# KiCad board pi60_RGB_v2.0_usb.kicad_pcb (continued)
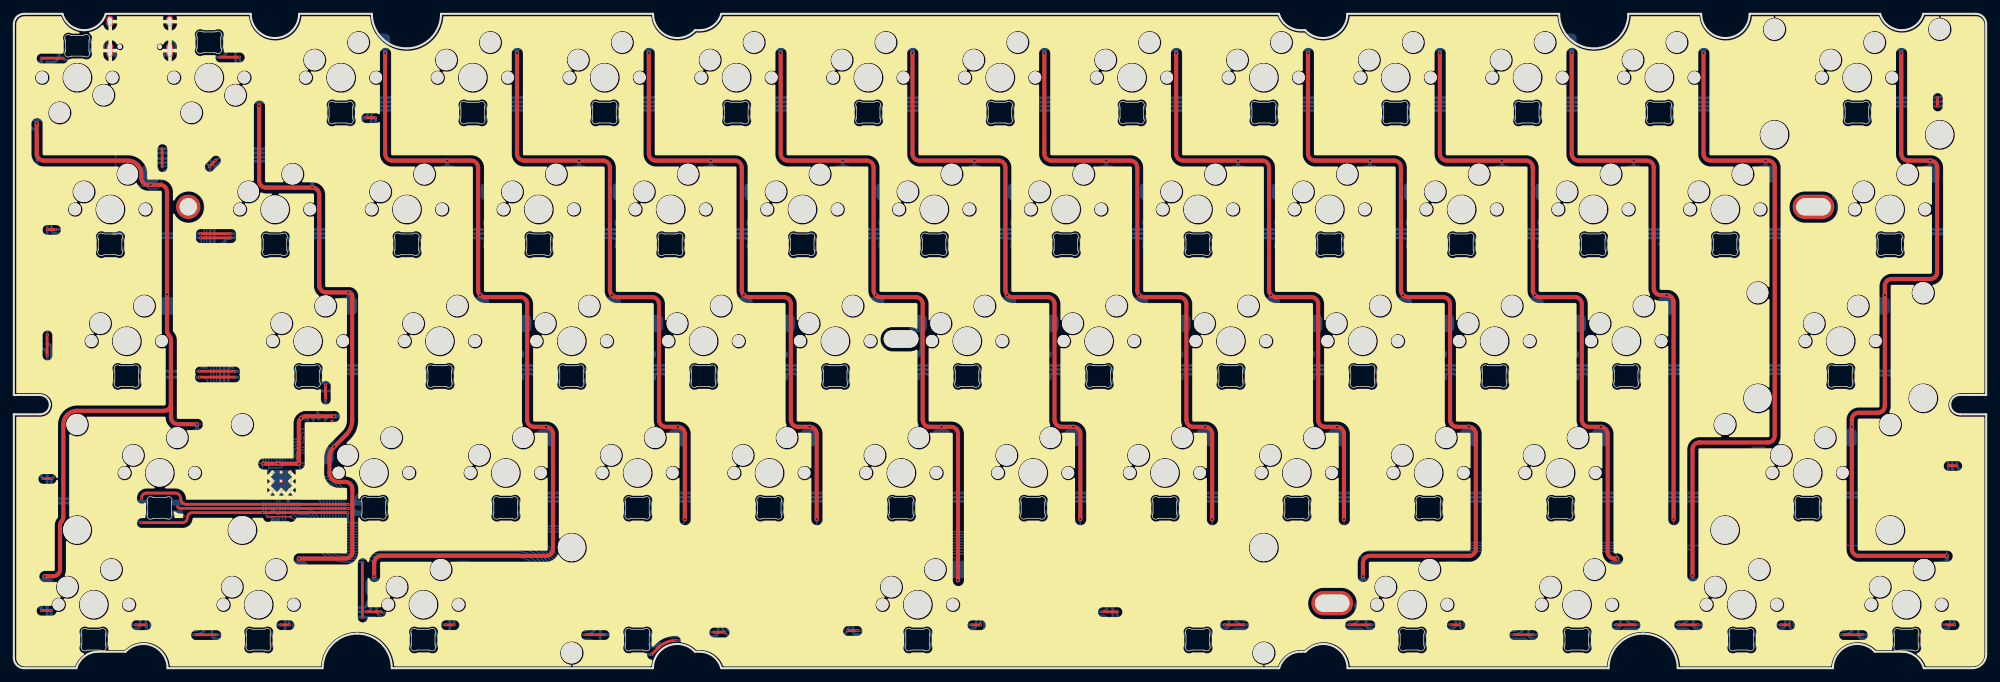
[diagram p0: board, top side]
## Routing (per net, layer and track width the routed paths; a pad name or vN(x,y) marks a point on that pad's centre or on a via; arc(x,y) is an arc through that point) (continued)
VCC: length 19.6
  Bottom w0.3: USB1.2 15.75,87.18 arc(15.86,86.61) 16.19,86.12 17.51,84.8 arc(17.84,84.31) 17.95,83.74 17.95,80.55
  Bottom w0.4: U4.1 17.93,80.52 C15.1 arc(16.39,80.31) 16.18,79.81 16.18,78.37 arc(16.39,77.87) 16.89,77.66
  Bottom w0.5: 20.65,88.85 arc(20.57,89.24) 20.35,89.58 20.24,89.69 arc(19.79,89.99) 19.25,90.1 17.15,90.1 arc(16.61,89.99) 16.16,89.69 16.05,89.58 arc(15.83,89.24) 15.75,88.85
/QSPI_SCLK: length 5.4
  Bottom w0.2: U2.52 39.62,31.33 arc(40.03,32.32) 41.02,32.73 arc(41.37,32.87) 41.52,33.23 41.52,33.62 arc(41.66,33.98) 42.02,34.12 U3.6
/QSPI_SD0: length 4.7
  Bottom w0.2: U2.53 40.02,31.23 arc(40.34,32) 41.12,32.33 arc(41.68,32.56) 41.92,33.13 41.92,33.42 arc(41.98,33.57) 42.12,33.62 U3.5
/QSPI_SD1: length 9
  Bottom w0.2: U2.55 40.82,31.03 arc(40.96,31.38) 41.32,31.53 42.45,31.53 arc(42.81,31.67) 42.95,32.03 42.95,32.24 arc(43.1,32.59) 43.45,32.74 45.35,32.74 arc(45.7,32.89) 45.85,33.24 45.85,34.12 arc(45.7,34.48) 45.35,34.62 U3.2
/QSPI_SD2: length 8.3
  Bottom w0.2: U3.3 45.25,34.12 arc(45.39,34.07) 45.45,33.92 45.45,33.34 arc(45.39,33.2) 45.25,33.14 43.35,33.14 arc(42.79,32.91) 42.55,32.34 42.55,32.13 arc(42.49,31.98) 42.35,31.93 41.22,31.93 41.13,31.92 40.95,31.88 40.79,31.81 40.65,31.69 40.54,31.55 40.46,31.39 40.42,31.22 40.42,31.13 U2.54
/QSPI_SD3: length 6.2
  Bottom w0.2: U2.51 39.22,31.43 arc(39.72,32.63) 40.92,33.13 arc(41.06,33.18) 41.12,33.33 41.12,33.82 arc(41.35,34.39) 41.92,34.62 U3.7
/QSPI_SS: length 10.7
  Bottom w0.2: U2.56 41.22,30.93 arc(41.28,31.07) 41.42,31.13 42.55,31.13 arc(43.12,31.36) 43.35,31.93 43.35,32.14 arc(43.41,32.28) 43.55,32.34 45.45,32.34 arc(46.02,32.57) 46.25,33.14 46.25,34.32 arc(46.02,34.89) 45.45,35.12 U3.1 44.91,35.99
/XIN: length 4.9
  Bottom w0.2: 40.22,19.48 40.22,20.54 arc(40.14,20.75) 39.92,20.84 39.52,20.84 arc(39.31,20.93) 39.22,21.14 U2.20
/XOUT: length 4.9
  Bottom w0.2: U2.21 38.82,21.14 arc(38.73,20.93) 38.52,20.84 38.12,20.84 arc(37.91,20.75) 37.82,20.54 37.82,19.48
C0: length 131.1
  Top w0.6: 22.7,42.92 22.7,38.21 arc(22.41,37.5) 21.7,37.21 9.12,37.21 arc(8.36,37.06) 7.72,36.63 arc(7.29,35.99) 7.14,35.24 7.14,21.81 arc(7.08,21.5) 6.91,21.24 arc(6.73,20.98) 6.67,20.68 6.67,14.29 arc(6.38,13.59) 5.67,13.29 v2(4.45,13.29) ; 22.7,42.92 22.7,36.28 arc(22.99,35.58) 23.7,35.28 v2(26.46,35.28) ; 22.7,42.92 22.7,47.45 arc(22.63,47.82) 22.42,48.13 arc(22.21,48.45) 22.14,48.82 v2(22.14,54.03) 22.14,68.87 arc(21.84,69.58) 21.14,69.87 v2(19.76,69.87) 19.41,69.87 arc(18.7,70.17) 18.41,70.87 18.41,71.56 arc(18.28,72.19) 17.92,72.72 17.83,72.81 arc(17.2,73.23) 16.45,73.38 4.31,73.38 arc(3.6,73.68) 3.31,74.38 v2(3.31,78.76)
  Bottom w0.2: U2.37 32.92,27.66 arc(31.5,28.25) 30.92,29.66 30.92,32.13 arc(30.84,32.51) 30.62,32.83 28.87,34.59 28.86,34.59 28.46,34.99 arc(28.14,35.21) 27.76,35.28 v2(26.46,35.28)
  Bottom w0.6: 19.75,71.43 v2(19.75,69.88) ; v2(26.46,35.28) 26.46,33.76 ; K54.1 4.45,13.29 ; K29.2 22.14,54.03 ; K1.2 3.31,78.77
C1: length 99.8
  Top w0.6: v2(41.19,15.84) 47.91,15.84 arc(48.62,16.14) 48.91,16.84 48.91,25.92 arc(48.62,26.63) 47.91,26.92 46.93,26.92 arc(46.42,27.02) 45.99,27.31 arc(45.71,27.74) 45.61,28.25 45.61,30.37 arc(45.78,31.26) v2(46.29,32.01) 48.02,33.74 arc(48.67,34.72) 48.89,35.86 48.89,53.83 arc(48.75,54.19) 48.39,54.33 v2(48.33,54.33) 45.13,54.33 arc(44.43,54.63) 44.13,55.33 44.13,68.48 arc(43.84,69.18) v2(43.13,69.48) 36.45,69.48 arc(35.74,69.77) 35.45,70.48 v2(35.45,81.3)
  Bottom w0.2: U2.3 43.93,28.86 arc(44.63,29.15) 44.93,29.86
  Bottom w0.6: K55.2 v2(41.19,15.84) ; v2(35.45,81.3) 35.45,82.7 ; v2(48.33,54.33) 48.33,54.33 K30.2 ; v2(43.13,69.48) 43.13,71 ; 45.06,30.79 v2(46.29,32.01)
C2: length 148.7
  Top w0.6: 53.66,88.92 53.66,74.38 arc(53.95,73.68) 54.66,73.38 v2(62.62,73.38) 66.09,73.38 arc(66.79,73.09) 67.09,72.38 67.09,54.64 arc(67.38,53.93) 68.09,53.64 73.18,53.64 arc(73.89,53.35) 74.18,52.64 74.18,35.88 arc(74.47,35.18) 75.18,34.88 v2(76.9,34.88) arc(77.61,34.59) 77.9,33.88 77.9,17.23 arc(77.61,16.53) 76.9,16.23 53.07,16.23 arc(52.36,15.94) 52.07,15.23 v2(52.07,13.29)
  Bottom w0.2: v2(52.07,13.29) 52.07,14.73 arc(51.78,15.43) 51.07,15.73 48.15,15.73 arc(44.4,17.28) 42.85,21.03 42.85,21.17 arc(42.67,21.6) 42.25,21.77 41.42,21.77 arc(40.43,22.19) 40.02,23.17 U2.18
  Bottom w0.6: K31.2 67.38,53.93 ; v2(53.66,88.92) 53.66,89.91 ; K44.2 v2(76.9,34.88) ; K56.1 52.07,13.29 ; 62.62,71.43 v2(62.62,73.38)
  vias: v2(67.38,53.93)
C3: length 156.4
  Top w0.6: v2(96.95,21.53) 96.95,33.88 arc(96.66,34.59) v2(95.95,34.88) 94.23,34.88 arc(93.52,35.18) 93.23,35.88 93.23,52.64 arc(92.94,53.35) 92.23,53.64 87.14,53.64 arc(86.43,53.93) 86.14,54.64 86.14,72.38 arc(85.84,73.09) 85.14,73.38 v2(81.67,73.38) 73.71,73.38 arc(73,73.68) 72.71,74.38 72.71,88.92
  Bottom w0.2: U2.6 45.63,27.66 arc(45.91,27.61) 46.14,27.45 47.5,26.08 arc(47.66,25.85) 47.71,25.58 47.71,21.03 arc(47.86,20.67) 48.21,20.53 95.95,20.53 arc(96.66,20.82) v2(96.95,21.53)
  Bottom w0.6: K45.2 v2(95.95,34.88) ; 81.67,71.43 v2(81.67,73.38) ; K32.2 86.43,53.93 ; v2(72.71,88.92) 72.71,89.91
  vias: v2(86.43,53.93)
C4: length 175.8
  Top w0.6: v2(116,21.53) 116,33.88 arc(115.71,34.59) v2(115,34.88) 113.28,34.88 arc(112.57,35.18) 112.28,35.88 112.28,52.64 arc(111.99,53.35) 111.28,53.64 106.19,53.64 arc(105.48,53.93) 105.19,54.64 105.19,72.38 arc(104.89,73.09) 104.19,73.38 v2(100.72,73.38) 92.76,73.38 arc(92.05,73.68) 91.76,74.38 91.76,88.92
  Bottom w0.2: U2.7 45.47,27.26 arc(45.74,27.21) 45.97,27.05 47.1,25.92 arc(47.26,25.69) 47.31,25.41 47.31,21.03 arc(47.58,20.39) 48.21,20.13 115,20.13 arc(115.71,20.42) 116,21.13 v2(116,21.53)
  Bottom w0.6: 115,33.33 v2(115,34.88) ; v2(91.76,88.92) 91.76,89.91 ; K33.2 105.48,53.93 ; 100.72,71.43 v2(100.72,73.38)
  vias: v2(105.48,53.93)
C5: length 210.5
  Top w0.6: 110.81,88.92 110.81,74.38 arc(111.1,73.68) 111.81,73.38 v2(119.77,73.38) 123.24,73.38 arc(123.94,73.09) 124.24,72.38 124.24,54.64 arc(124.53,53.93) 125.24,53.64 130.33,53.64 arc(131.04,53.35) 131.33,52.64 131.33,35.88 arc(131.62,35.18) 132.33,34.88 v2(134.05,34.88) 135.44,34.88 arc(136.14,34.59) 136.44,33.88 v2(136.44,12.73)
  Bottom w0.2: U2.17 40.42,23.17 arc(40.71,22.47) 41.42,22.17 42.25,22.17 arc(42.95,21.88) 43.25,21.17 43.25,21.03 arc(44.68,17.56) 48.15,16.13 72.15,16.13 arc(74.06,15.75) 75.68,14.66 76.74,13.6 arc(78.51,12.42) 80.59,12.01 arc(82.68,12.42) 84.44,13.6 85.5,14.66 arc(87.12,15.75) 89.04,16.13 135.44,16.13 arc(136.14,15.83) 136.44,15.13
  Bottom w0.6: K57.2 v2(136.44,12.73) ; 134.05,33.33 v2(134.05,34.88) ; v2(110.81,88.92) 110.81,89.91 ; 119.77,71.43 v2(119.77,73.38) ; K34.2 124.53,53.93
  vias: v2(124.53,53.93)
C6: length 214.3
  Top w0.6: 129.86,88.92 129.86,74.38 arc(130.15,73.68) 130.86,73.38 v2(138.82,73.38) 142.29,73.38 arc(142.99,73.09) 143.29,72.38 143.29,54.64 arc(143.58,53.93) 144.29,53.64 149.38,53.64 arc(150.09,53.35) 150.38,52.64 150.38,35.88 arc(150.67,35.18) 151.38,34.88 v2(153.1,34.88) arc(153.81,34.59) 154.1,33.88 v2(154.1,21.53)
  Bottom w0.2: v2(154.1,21.53) 154.1,20.73 arc(153.81,20.02) 153.1,19.73 48.21,19.73 arc(47.29,20.11) 46.91,21.03 46.91,25.25 arc(46.86,25.52) 46.7,25.75 45.81,26.65 arc(45.58,26.81) 45.3,26.86 U2.8
  Bottom w0.6: 153.1,33.33 v2(153.1,34.88) ; v2(129.86,88.92) 129.86,89.91 ; K35.2 143.58,53.93 ; 138.82,71.43 v2(138.82,73.38)
  vias: v2(143.58,53.93)
C7: length 236.5
  Top w0.6: v2(173.15,21.53) 173.15,33.88 arc(172.86,34.59) v2(172.15,34.88) 170.43,34.88 arc(169.72,35.18) 169.43,35.88 169.43,52.64 arc(169.14,53.35) 168.43,53.64 163.34,53.64 arc(162.63,53.93) 162.34,54.64 162.34,72.38 arc(162.04,73.09) 161.34,73.38 v2(157.87,73.38) 149.91,73.38 arc(149.2,73.68) 148.91,74.38 148.91,88.92
  Bottom w0.2: v2(173.15,21.53) 173.15,20.33 arc(172.86,19.62) 172.15,19.33 87.71,19.33 arc(85.8,18.95) 84.18,17.86 82.18,15.87 arc(81.45,15.38) 80.59,15.21 arc(79.73,15.38) 79,15.87 77.01,17.86 arc(75.39,18.95) 73.47,19.33 48.21,19.33 arc(47.01,19.82) 46.51,21.03 46.51,25.08 arc(46.46,25.36) 46.3,25.59 45.64,26.25 arc(45.41,26.41) 45.14,26.46 U2.9
  Bottom w0.6: 157.87,71.43 v2(157.87,73.38) ; K36.2 162.63,53.93 ; v2(148.91,88.92) 148.91,89.91 ; 172.15,33.33 v2(172.15,34.88)
  vias: v2(162.63,53.93)
C8: length 258
  Top w0.6: 167.96,88.92 167.96,74.38 arc(168.25,73.68) 168.96,73.38 v2(176.92,73.38) 180.39,73.38 arc(181.09,73.09) 181.39,72.38 181.39,54.64 arc(181.68,53.93) 182.39,53.64 187.48,53.64 arc(188.19,53.35) 188.48,52.64 188.48,35.88 arc(188.77,35.18) 189.48,34.88 v2(191.2,34.88) arc(191.91,34.59) 192.2,33.88 v2(192.2,21.53)
  Bottom w0.2: U2.11 44.14,25.66 arc(44.42,25.61) 44.65,25.45 45.44,24.66 arc(45.59,24.43) 45.65,24.16 45.65,21.03 arc(46.38,19.26) 48.15,18.53 73.14,18.53 arc(75.06,18.15) 76.68,17.06 78.44,15.3 arc(79.43,14.64) 80.59,14.41 arc(81.76,14.64) 82.75,15.3 84.51,17.06 arc(86.13,18.15) 88.04,18.53 174.27,18.53 arc(176.19,18.15) 177.81,17.06 179,15.87 arc(179.73,15.38) 180.59,15.21 arc(181.45,15.38) 182.18,15.87 183.38,17.06 arc(185,18.15) 186.91,18.53 191.2,18.53 arc(191.91,18.82) 192.2,19.53 v2(192.2,21.53)
  Bottom w0.6: 191.2,33.33 v2(191.2,34.88) ; 176.92,71.43 v2(176.92,73.38) ; K37.2 181.68,53.93 ; v2(167.96,88.92) 167.96,89.91
  vias: v2(181.68,53.93)
C9: length 286.1
  Top w0.6: v2(194.95,13.29) 194.95,15.23 arc(195.24,15.94) 195.95,16.23 210.25,16.23 arc(210.96,16.53) 211.25,17.23 211.25,33.88 arc(210.96,34.59) v2(210.25,34.88) 208.53,34.88 arc(207.82,35.18) 207.53,35.88 207.53,52.64 arc(207.24,53.35) 206.53,53.64 201.44,53.64 arc(200.73,53.93) 200.44,54.64 200.44,72.38 arc(200.14,73.09) 199.44,73.38 v2(195.97,73.38) 188.01,73.38 arc(187.3,73.68) 187.01,74.38 187.01,88.92
  Bottom w0.2: U2.16 40.82,23.17 arc(40.99,22.75) 41.42,22.57 42.25,22.57 arc(43.24,22.16) 43.65,21.17 43.65,21.03 arc(44.96,17.84) 48.15,16.53 72.31,16.53 arc(74.23,16.15) 75.85,15.06 77.02,13.89 arc(78.66,12.79) 80.59,12.41 arc(82.52,12.79) 84.16,13.89 85.34,15.06 arc(86.96,16.15) 88.87,16.53 173.45,16.53 arc(175.36,16.15) 176.98,15.06 177.59,14.45 arc(178.97,13.53) 180.59,13.21 arc(182.22,13.53) 183.6,14.45 184.2,15.06 arc(185.83,16.15) 187.74,16.53 193.95,16.53 arc(194.65,16.23) 194.95,15.53 v2(194.95,13.29)
  Bottom w0.6: v2(187.01,88.92) 187.01,89.91 ; K38.2 200.73,53.93 ; K58.1 194.95,13.26 ; 210.25,33.33 v2(210.25,34.88) ; 195.97,71.43 v2(195.97,73.38)
  vias: v2(200.73,53.93)
C10: length 303.1
  Top w0.6: v2(231.68,15.83) 231.3,15.83 arc(230.6,16.13) 230.3,16.83 230.3,33.88 arc(230.01,34.59) v2(229.3,34.88) 227.58,34.88 arc(226.87,35.18) 226.58,35.88 226.58,52.64 arc(226.29,53.35) 225.58,53.64 220.49,53.64 arc(219.78,53.93) 219.49,54.64 219.49,72.38 arc(219.19,73.09) 218.49,73.38 v2(215.02,73.38) 207.06,73.38 arc(206.35,73.68) 206.06,74.38 206.06,88.92
  Bottom w0.2: U2.15 41.22,23.17 arc(41.28,23.03) 41.42,22.97 42.25,22.97 arc(43.52,22.45) 44.05,21.17 44.05,21.03 arc(45.25,18.13) 48.15,16.93 72.48,16.93 arc(74.39,16.55) 76.02,15.46 77.31,14.17 arc(78.82,13.16) 80.59,12.81 arc(82.37,13.16) 83.88,14.17 85.17,15.46 arc(86.79,16.55) 88.71,16.93 173.61,16.93 arc(175.53,16.55) 177.15,15.46 177.87,14.74 arc(179.12,13.9) 180.59,13.61 arc(182.06,13.9) 183.31,14.74 184.04,15.46 arc(185.66,16.55) 187.57,16.93 230.68,16.93 arc(231.39,16.63) 231.68,15.93 v2(231.68,15.83)
  Bottom w0.6: v2(206.06,88.92) 206.06,89.91 ; 215.02,71.43 v2(215.02,73.38) ; K59.2 v2(231.68,15.83) ; K39.2 219.78,53.93 ; 229.3,33.33 v2(229.3,34.88)
  vias: v2(219.78,53.93)
C11: length 295.7
  Top w0.6: 225.11,88.92 225.11,74.38 arc(225.4,73.68) 226.11,73.38 v2(234.07,73.38) 235.97,73.38 arc(236.67,73.09) 236.97,72.38 236.97,54.93 arc(237.26,54.23) 237.97,53.93 v2(238.83,53.93) arc(239.54,53.64) 239.83,52.93 v2(239.83,21.53)
  Bottom w0.2: U2.12 43.98,25.26 arc(44.25,25.21) 44.48,25.05 45.04,24.5 arc(45.19,24.26) 45.25,23.99 45.25,21.03 arc(46.09,18.98) 48.15,18.13 72.98,18.13 arc(74.89,17.75) 76.51,16.66 78.16,15.02 arc(79.27,14.27) 80.59,14.01 arc(81.91,14.27) 83.03,15.02 84.67,16.66 arc(86.3,17.75) 88.21,18.13 174.11,18.13 arc(176.02,17.75) 177.64,16.66 178.72,15.58 arc(179.58,15.01) 180.59,14.81 arc(181.61,15.01) 182.46,15.58 183.54,16.66 arc(185.16,17.75) 187.08,18.13 238.83,18.13 arc(239.54,18.42) 239.83,19.13 v2(239.83,21.53)
  Bottom w0.6: 234.07,71.43 v2(234.07,73.38) ; v2(225.11,88.92) 225.11,89.91 ; K40.2 238.83,53.93
C12: length 314.4
  Top w0.6: v2(242.57,13.39) 242.57,31.63 arc(242.86,32.34) 243.57,32.63 253.45,32.63 arc(254.16,32.93) 254.45,33.63 254.45,72.38 arc(254.16,73.09) 253.45,73.38 v2(253.12,73.38) 245.16,73.38 arc(244.45,73.68) 244.16,74.38 244.16,88.92
  Bottom w0.2: U2.14 43.65,24.46 arc(43.92,24.41) 44.15,24.25 44.24,24.16 arc(44.39,23.93) 44.45,23.66 44.45,21.03 arc(45.53,18.41) 48.15,17.33 72.65,17.33 arc(74.56,16.95) 76.18,15.86 77.59,14.45 arc(78.97,13.53) 80.59,13.21 arc(82.22,13.53) 83.6,14.45 85,15.86 arc(86.63,16.95) 88.54,17.33 173.78,17.33 arc(175.69,16.95) 177.31,15.86 178.16,15.02 arc(179.27,14.27) 180.59,14.01 arc(181.91,14.27) 183.03,15.02 183.87,15.86 arc(185.5,16.95) 187.41,17.33 241.57,17.33 arc(242.28,17.03) 242.57,16.33 v2(242.57,13.39)
  Bottom w0.6: 253.12,71.43 v2(253.12,73.38) ; v2(244.16,88.92) 244.16,89.91 ; K60.1 242.57,13.39
C13: length 356.1
  Top w0.6: v2(279.31,16.23) 266.59,16.23 arc(265.88,16.53) 265.59,17.23 v2(265.59,34.88) 265.59,35.92 arc(265.88,36.63) 266.59,36.92 269.35,36.92 arc(270.06,37.22) 270.35,37.92 v2(270.35,53.93) 270.35,55.26 arc(270.64,55.97) 271.35,56.26 276.93,56.26 arc(277.63,56.55) 277.93,57.26 277.93,72.38 arc(277.63,73.09) v2(276.93,73.38) 273.73,73.38 arc(273.02,73.68) 272.73,74.38 272.73,88.92
  Bottom w0.2: v2(279.31,16.23) 279.31,16.73 arc(279.02,17.43) 278.31,17.73 187.24,17.73 arc(185.33,17.35) 183.71,16.26 182.75,15.3 arc(181.76,14.64) 180.59,14.41 arc(179.43,14.64) 178.44,15.3 177.48,16.26 arc(175.86,17.35) 173.94,17.73 88.37,17.73 arc(86.46,17.35) 84.84,16.26 83.31,14.74 arc(82.07,13.9) 80.59,13.61 arc(79.12,13.9) 77.87,14.74 76.35,16.26 arc(74.73,17.35) 72.81,17.73 48.15,17.73 arc(45.81,18.69) 44.85,21.03 44.85,23.83 arc(44.79,24.1) 44.64,24.33 44.32,24.65 arc(44.08,24.81) 43.81,24.86 U2.13
  Bottom w0.6: v2(265.59,34.88) 265.59,33.9 ; v2(270.35,53.93) 270.35,52.95 ; v2(272.73,88.92) 272.73,89.91 ; 276.93,71.43 v2(276.93,73.38) ; K61.2 v2(279.31,16.23)
CC1: length 2.4
  Bottom w0.3: 17.78,86.71 17.25,86.71 arc(17.04,86.8) 16.95,87.01 USB1.4
CC2: length 1.8
  Bottom w0.3: USB1.10 19.95,87.45 arc(19.87,87.07) 19.66,86.75
DN_MCU: length 78.5
  Top w0.4: 29.16,73.42 v1(28.26,72.52)
  Bottom w0.2: 18.4,78.92 18.45,78.97 U4.7
  Bottom w0.4: R2.1 37,36.11 arc(36.7,36.82) 36,37.11 31.79,37.11 arc(30.38,37.7) 29.79,39.11 29.79,58.87 arc(29.71,59.26) 29.5,59.58 28.66,60.42 arc(28.44,60.75) 28.37,61.13 28.37,72.08 arc(28.07,72.79) 27.37,73.08 19.9,73.08 arc(18.83,73.52) 18.4,74.58 18.4,78.92 ; v1(29.16,73.43) 29.18,73.45 arc(29.66,73.77) 30.24,73.88 30.24,73.88 43.51,73.88 arc(43.89,73.96) 44.22,74.18 44.89,74.85
DN_USB: length 10
  Bottom w0.3: 18.45,80.84 18.45,86.72 ; 18.45,86.72 USB1.7 ; 18.45,86.72 18.45,87.05 arc(18.36,87.26) 18.15,87.35 17.75,87.35 arc(17.54,87.43) 17.45,87.65 USB1.5
DP_MCU: length 79.6
  Bottom w0.2: 19,78.92 18.95,78.97 U4.6
  Bottom w0.4: 19,78.92 19,74.68 arc(19.29,73.97) 20,73.68 27.47,73.68 arc(28.53,73.24) 28.97,72.18 28.97,70.89 ; 28.97,70.89 28.97,61.38 arc(29.04,60.99) 29.26,60.67 30.1,59.83 arc(30.31,59.51) 30.39,59.12 30.39,39.21 arc(30.83,38.15) 31.89,37.71 36.35,37.71 arc(37.41,37.27) 37.85,36.21 R1.1 ; 28.97,70.89 28.97,71.78 arc(29.4,72.84) 30.47,73.28 43.86,73.28 arc(44.24,73.36) 44.57,73.58 44.86,73.87 J2.3
DP_USB: length 10.5
  Bottom w0.3: 18.95,80.84 USB1.8 18.95,89.2 arc(18.86,89.41) 18.65,89.5 18.25,89.5 arc(18.04,89.41) 17.95,89.2 USB1.6
LED: length 87.9
  Bottom w0.2: U2.40 32.92,28.86 arc(32.35,29.09) 32.12,29.66 32.12,32.62 arc(32.04,33.01) 31.82,33.33 29.18,35.97 arc(28.97,36.29) 28.89,36.68 28.89,58.5 arc(28.81,58.88) 28.6,59.21 27.75,60.05 arc(27.54,60.38) 27.46,60.76 27.46,71.98 arc(27.4,72.12) 27.26,72.18 22.33,72.18 arc(21.62,71.89) 21.33,71.18 21.33,70.27 arc(21.04,69.57) 20.33,69.27 19.74,69.27 arc(19.52,69.32) 19.34,69.44 19.27,69.51 arc(19.09,69.63) 18.87,69.68 16.45,69.68 arc(15.78,69.81) 15.21,70.19 arc(14.83,70.76) 14.7,71.43 14.7,80.11 arc(14.41,80.81) 13.7,81.11 12.86,81.11 arc(12.28,81.22) 11.8,81.55 10.99,82.35 arc(10.1,82.94) 9.05,83.15 arc(8.28,83.31) 7.63,83.74 arc(7.04,84.13) 6.35,84.27 4.07,84.27 arc(3.64,84.36) 3.27,84.6 arc(3.03,84.97) 2.94,85.4 arc(3.03,85.83) 3.27,86.2 3.84,86.76
R0: length 357.7
  Top w0.4: v1(21.43,75.08) v1(21.43,72.48)
  Bottom w0.2: U2.41 32.92,29.26 arc(32.63,29.38) 32.52,29.66 32.52,32.79 arc(32.44,33.17) 32.22,33.5 29.58,36.13 arc(29.37,36.46) 29.29,36.84 29.29,58.67 arc(29.21,59.05) 29,59.37 28.16,60.21 arc(27.94,60.54) 27.87,60.92 27.87,71.03 27.86,71.04 27.86,71.98 arc(27.69,72.4) 27.26,72.58 21.53,72.58 v1(21.43,72.48)
  Bottom w0.4: D2.1 24.84,76.08 arc(25.13,75.38) 25.84,75.08 26.96,75.08 ; 26.96,75.08 20.75,75.08 20.45,75.38 ; 26.96,75.08 42.35,75.08 arc(42.7,75.23) 42.85,75.58 42.85,75.67 arc(43.14,76.38) 43.85,76.67 ; 116.01,80.16 116.34,80.49 arc(116.5,80.6) 116.69,80.64 117.45,80.64 arc(118.16,80.35) 118.45,79.64 118.45,79.06 arc(118.89,78) 119.95,77.56 126.85,77.56 arc(127.56,77.85) 127.85,78.56 127.85,79.64 arc(128.14,80.35) 128.85,80.64 134.37,80.64 arc(134.56,80.6) 134.73,80.49 135.06,80.16 135.39,80.49 arc(135.55,80.6) 135.74,80.64 136.5,80.64 arc(137.21,80.35) 137.5,79.64 137.5,79.06 arc(137.94,78) 139,77.56 145.9,77.56 arc(146.61,77.85) 146.9,78.56 146.9,79.64 arc(147.19,80.35) 147.9,80.64 153.42,80.64 arc(153.61,80.6) 153.78,80.49 154.11,80.16 154.44,80.49 arc(154.6,80.6) 154.79,80.64 155.55,80.64 arc(156.26,80.35) 156.55,79.64 156.55,79.06 arc(156.99,78) 158.05,77.56 164.95,77.56 arc(165.66,77.85) 165.95,78.56 165.95,79.64 arc(166.24,80.35) 166.95,80.64 172.47,80.64 arc(172.66,80.6) 172.83,80.49 173.16,80.16 173.49,80.49 arc(173.65,80.6) 173.84,80.64 174.6,80.64 arc(175.31,80.35) 175.6,79.64 175.6,79.06 arc(176.04,78) 177.1,77.56 184,77.56 arc(184.71,77.85) 185,78.56 185,79.64 arc(185.29,80.35) 186,80.64 191.52,80.64 arc(191.71,80.6) 191.88,80.49 192.21,80.16 192.54,80.49 arc(192.7,80.6) 192.89,80.64 193.65,80.64 arc(194.36,80.35) 194.65,79.64 194.65,79.06 arc(195.09,78) 196.15,77.56 203.05,77.56 arc(203.76,77.85) 204.05,78.56 204.05,79.64 arc(204.34,80.35) 205.05,80.64 210.57,80.64 arc(210.76,80.6) 210.93,80.49 211.26,80.16 211.59,80.49 arc(211.75,80.6) 211.94,80.64 212.7,80.64 arc(213.41,80.35) 213.7,79.64 213.7,79.06 arc(214.14,78) 215.2,77.56 222.1,77.56 arc(222.81,77.85) 223.1,78.56 223.1,79.64 arc(223.39,80.35) 224.1,80.64 229.62,80.64 arc(229.81,80.6) 229.98,80.49 230.31,80.16 ; D14.1 258.55,80.51 arc(258.39,80.62) 258.2,80.66 243.15,80.66 arc(242.44,80.36) 242.15,79.66 242.15,78.57 arc(241.86,77.87) 241.15,77.57 234.25,77.57 arc(233.19,78.01) 232.75,79.07 232.75,79.66 arc(232.46,80.36) 231.75,80.66 230.99,80.66 arc(230.8,80.62) 230.64,80.51 D13.1 ; 43.85,76.67 50.65,76.67 arc(51.36,76.96) 51.65,77.67 51.65,79.66 arc(51.94,80.36) 52.65,80.66 58.17,80.66 arc(58.36,80.62) 58.53,80.51 D4.1 59.19,80.51 arc(59.35,80.62) 59.54,80.66 60.3,80.66 arc(61.01,80.36) 61.3,79.66 61.3,79.07 arc(61.74,78.01) 62.8,77.57 69.7,77.57 arc(70.41,77.87) 70.7,78.57 70.7,79.66 arc(70.99,80.36) 71.7,80.66 77.22,80.66 arc(77.41,80.62) 77.58,80.51 D5.1 78.24,80.51 arc(78.4,80.62) 78.59,80.66 79.35,80.66 arc(80.06,80.36) 80.35,79.66 80.35,79.07 arc(80.79,78.01) 81.85,77.57 88.75,77.57 arc(89.46,77.87) 89.75,78.57 89.75,79.66 arc(90.04,80.36) 90.75,80.66 96.27,80.66 arc(96.46,80.62) 96.63,80.51 D6.1 97.29,80.51 arc(97.45,80.62) 97.64,80.66 98.4,80.66 arc(99.11,80.36) 99.4,79.66 99.4,79.07 arc(99.84,78.01) 100.9,77.57 107.8,77.57 arc(108.51,77.87) 108.8,78.57 108.8,79.66 arc(109.09,80.36) 109.8,80.66 115.32,80.66 arc(115.51,80.62) 115.68,80.51 D7.1 ; 43.85,76.67 arc(43.14,76.96) 42.85,77.67 42.85,80.26 arc(42.56,80.97) 41.85,81.26 40.81,81.26 arc(40.1,80.97) 39.81,80.26
R1: length 370.2
  Top w0.4: v1(26.96,62.21) 27.77,62.21 ; 27.77,62.21 27.77,62.21 ; 27.77,62.21 v1(31.37,62.21)
  Bottom w0.2: U2.39 32.92,28.46 arc(32.07,28.81) 31.72,29.66 31.72,32.46 arc(31.64,32.84) 31.42,33.16 28.78,35.8 arc(28.57,36.13) 28.49,36.51 28.49,58.34 arc(28.41,58.72) 28.2,59.04 27.35,59.89 arc(27.14,60.21) 27.06,60.59 27.06,62.11 v1(26.96,62.21)
  Bottom w0.4: 238.05,62.21 238.05,61.59 237.75,61.29 ; 238.05,62.21 238.75,62.21 arc(239.52,61.9) D27.1 arc(240.15,61.9) 240.92,62.21 242.28,62.21 arc(242.7,62.04) 242.87,61.62 242.87,60.63 arc(243.31,59.57) 244.37,59.13 250.07,59.13 arc(250.78,59.42) 251.07,60.13 251.07,61.13 arc(251.39,61.9) 252.16,62.21 262.56,62.21 arc(263.33,61.9) D28.1 ; 238.05,62.21 233.11,62.21 arc(232.34,61.9) 232.02,61.13 232.02,60.13 arc(231.73,59.42) 231.02,59.13 225.32,59.13 arc(224.26,59.57) 223.82,60.63 223.82,61.62 arc(223.65,62.04) 223.23,62.21 221.87,62.21 arc(221.1,61.9) D26.1 arc(220.47,61.9) 219.7,62.21 214.06,62.21 arc(213.29,61.9) 212.97,61.13 212.97,60.13 arc(212.68,59.42) 211.97,59.13 206.27,59.13 arc(205.21,59.57) 204.77,60.63 204.77,61.62 arc(204.6,62.04) 204.18,62.21 202.82,62.21 arc(202.05,61.9) D25.1 arc(201.42,61.9) 200.65,62.21 195.01,62.21 arc(194.24,61.9) 193.92,61.13 193.92,60.13 arc(193.63,59.42) 192.92,59.13 187.22,59.13 arc(186.16,59.57) 185.72,60.63 185.72,61.62 arc(185.55,62.04) 185.13,62.21 183.77,62.21 arc(183,61.9) D24.1 arc(182.37,61.9) 181.6,62.21 175.96,62.21 arc(175.19,61.9) 174.88,61.13 174.88,60.13 arc(174.58,59.42) 173.88,59.13 168.17,59.13 arc(167.11,59.57) 166.67,60.63 166.67,61.62 arc(166.5,62.04) 166.08,62.21 164.72,62.21 arc(163.95,61.9) D23.1 arc(163.32,61.9) 162.55,62.21 156.91,62.21 arc(156.14,61.9) 155.83,61.13 155.83,60.13 arc(155.53,59.42) 154.83,59.13 149.12,59.13 arc(148.06,59.57) 147.62,60.63 147.62,61.62 arc(147.45,62.04) 147.03,62.21 145.67,62.21 arc(144.9,61.9) D22.1 arc(144.27,61.9) 143.5,62.21 137.86,62.21 arc(137.09,61.9) 136.78,61.13 136.78,60.13 arc(136.48,59.42) 135.78,59.13 130.07,59.13 arc(129.01,59.57) 128.57,60.63 128.57,61.62 arc(128.4,62.04) 127.98,62.21 126.62,62.21 arc(125.85,61.9) D21.1 arc(125.22,61.9) 124.45,62.21 118.81,62.21 arc(118.04,61.9) 117.73,61.13 117.73,60.13 arc(117.43,59.42) 116.73,59.13 111.02,59.13 arc(109.96,59.57) 109.52,60.63 109.52,61.62 arc(109.35,62.04) 108.93,62.21 107.57,62.21 arc(106.8,61.9) D20.1 arc(106.17,61.9) 105.4,62.21 99.76,62.21 arc(98.99,61.9) 98.68,61.13 98.68,60.13 arc(98.38,59.42) 97.68,59.13 91.97,59.13 arc(90.91,59.57) 90.47,60.63 90.47,61.62 arc(90.3,62.04) 89.88,62.21 88.52,62.21 arc(87.75,61.9) D19.1 arc(87.12,61.9) 86.35,62.21 80.71,62.21 arc(79.94,61.9) 79.63,61.13 79.63,60.13 arc(79.33,59.42) 78.63,59.13 72.92,59.13 arc(71.86,59.57) 71.42,60.63 71.42,61.62 arc(71.25,62.04) 70.83,62.21 69.47,62.21 arc(68.7,61.9) D18.1 arc(68.07,61.9) 67.3,62.21 61.66,62.21 arc(60.89,61.9) 60.58,61.13 60.58,60.13 arc(60.28,59.42) 59.58,59.13 53.87,59.13 arc(52.81,59.57) 52.37,60.63 52.37,61.62 arc(52.2,62.04) 51.78,62.21 50.42,62.21 arc(49.65,61.9) D17.1 arc(49.02,61.9) 48.25,62.21 42.61,62.21 arc(41.84,61.9) 41.53,61.13 41.53,60.13 arc(41.23,59.42) 40.53,59.13 34.82,59.13 arc(33.76,59.57) 33.32,60.63 33.32,61.62 arc(33.15,62.04) 32.73,62.21 v1(31.37,62.21) arc(30.6,61.9) D16.1 ; v1(26.96,62.21) 18.8,62.21 arc(18.03,61.9) 17.71,61.13 17.71,60.13 arc(17.42,59.42) 16.71,59.13 11.01,59.13 arc(9.95,59.57) 9.51,60.63 9.51,61.62 arc(9.34,62.04) 8.91,62.21 7.56,62.21 arc(6.79,61.9) D15.1
R2: length 319.4
  Top w0.4: v1(26.84,42.08) v1(31.94,42.08)
  Bottom w0.2: U2.38 32.92,28.06 arc(31.78,28.53) 31.32,29.66 31.32,32.29 arc(31.24,32.67) 31.02,33 29.03,34.99 29.03,34.99 28.38,35.63 arc(28.17,35.96) 28.09,36.34 28.09,41.08 arc(27.8,41.79) 27.09,42.08 v1(26.84,42.08)
  Bottom w0.4: D29.1 9.18,42.41 arc(9.35,42.52) 9.54,42.56 10.29,42.56 arc(11,42.26) 11.29,41.56 11.29,40.97 arc(11.73,39.91) 12.79,39.47 18.59,39.47 arc(19.65,39.91) 20.09,40.97 20.09,41.08 arc(20.39,41.79) 21.09,42.08 v1(26.84,42.08) ; v1(31.94,42.08) D30.1 37.09,42.08 arc(37.79,41.79) 38.09,41.08 38.09,41.08 arc(38.38,40.37) 39.09,40.08 45.89,40.08 arc(46.59,40.37) 46.89,41.08 46.89,41.56 46.89,41.64 46.92,41.82 46.98,41.98 47.07,42.13 47.18,42.27 47.31,42.38 47.46,42.46 47.63,42.52 47.8,42.56 47.89,42.56 53.41,42.56 53.48,42.56 53.6,42.52 53.72,42.46 53.76,42.41 D31.1 54.43,42.41 arc(54.59,42.52) 54.78,42.56 55.54,42.56 arc(56.24,42.26) 56.54,41.56 56.54,40.97 arc(56.98,39.91) 58.04,39.47 64.94,39.47 arc(65.64,39.77) 65.94,40.47 65.94,41.56 arc(66.23,42.26) 66.94,42.56 72.46,42.56 arc(72.65,42.52) 72.81,42.41 D32.1 73.48,42.41 arc(73.64,42.52) 73.83,42.56 74.59,42.56 arc(75.29,42.26) 75.59,41.56 75.59,40.97 arc(76.03,39.91) 77.09,39.47 83.99,39.47 arc(84.69,39.77) 84.99,40.47 84.99,41.56 arc(85.28,42.26) 85.99,42.56 91.51,42.56 arc(91.7,42.52) 91.86,42.41 D33.1 92.53,42.41 arc(92.69,42.52) 92.88,42.56 93.64,42.56 arc(94.34,42.26) 94.64,41.56 94.64,40.97 arc(95.08,39.91) 96.14,39.47 103.04,39.47 arc(103.74,39.77) 104.04,40.47 104.04,41.56 arc(104.33,42.26) 105.04,42.56 110.56,42.56 arc(110.75,42.52) 110.91,42.41 D34.1 111.58,42.41 arc(111.74,42.52) 111.93,42.56 112.69,42.56 arc(113.39,42.26) 113.69,41.56 113.69,40.97 arc(114.13,39.91) 115.19,39.47 122.09,39.47 arc(122.79,39.77) 123.09,40.47 123.09,41.56 arc(123.38,42.26) 124.09,42.56 129.61,42.56 arc(129.8,42.52) 129.96,42.41 D35.1 130.63,42.41 arc(130.79,42.52) 130.98,42.56 131.74,42.56 arc(132.44,42.26) 132.74,41.56 132.74,40.97 arc(133.18,39.91) 134.24,39.47 141.14,39.47 arc(141.84,39.77) 142.14,40.47 142.14,41.56 arc(142.43,42.26) 143.14,42.56 148.66,42.56 arc(148.85,42.52) 149.01,42.41 D36.1 149.68,42.41 arc(149.84,42.52) 150.03,42.56 150.79,42.56 arc(151.49,42.26) 151.79,41.56 151.79,40.97 arc(152.23,39.91) 153.29,39.47 160.19,39.47 arc(160.89,39.77) 161.19,40.47 161.19,41.56 arc(161.48,42.26) 162.19,42.56 167.71,42.56 arc(167.9,42.52) 168.06,42.41 D37.1 168.73,42.41 arc(168.89,42.52) 169.08,42.56 169.84,42.56 arc(170.54,42.26) 170.84,41.56 170.84,40.97 arc(171.28,39.91) 172.34,39.47 179.24,39.47 arc(179.94,39.77) 180.24,40.47 180.24,41.56 arc(180.53,42.26) 181.24,42.56 186.76,42.56 arc(186.95,42.52) 187.11,42.41 D38.1 187.78,42.41 arc(187.94,42.52) 188.13,42.56 188.89,42.56 arc(189.59,42.26) 189.89,41.56 189.89,40.97 arc(190.33,39.91) 191.39,39.47 198.29,39.47 arc(198.99,39.77) 199.29,40.47 199.29,41.56 arc(199.58,42.26) 200.29,42.56 205.81,42.56 arc(206,42.52) 206.16,42.41 D39.1 206.83,42.41 arc(206.99,42.52) 207.18,42.56 207.94,42.56 arc(208.64,42.26) 208.94,41.56 208.94,40.97 arc(209.38,39.91) 210.44,39.47 217.34,39.47 arc(218.04,39.77) 218.34,40.47 218.34,41.56 arc(218.63,42.26) 219.34,42.56 224.86,42.56 arc(225.05,42.52) 225.21,42.41 D40.1 225.88,42.41 arc(226.04,42.52) 226.23,42.56 226.99,42.56 arc(227.69,42.26) 227.99,41.56 227.99,40.97 arc(228.43,39.91) 229.49,39.47 236.39,39.47 arc(237.09,39.77) 237.39,40.47 237.39,41.56 arc(237.68,42.26) 238.39,42.56 255.82,42.56 arc(256.01,42.52) 256.17,42.41 D41.1